# KiCad board Turbo_XT_Mainboard R3.kicad_pcb (continued)
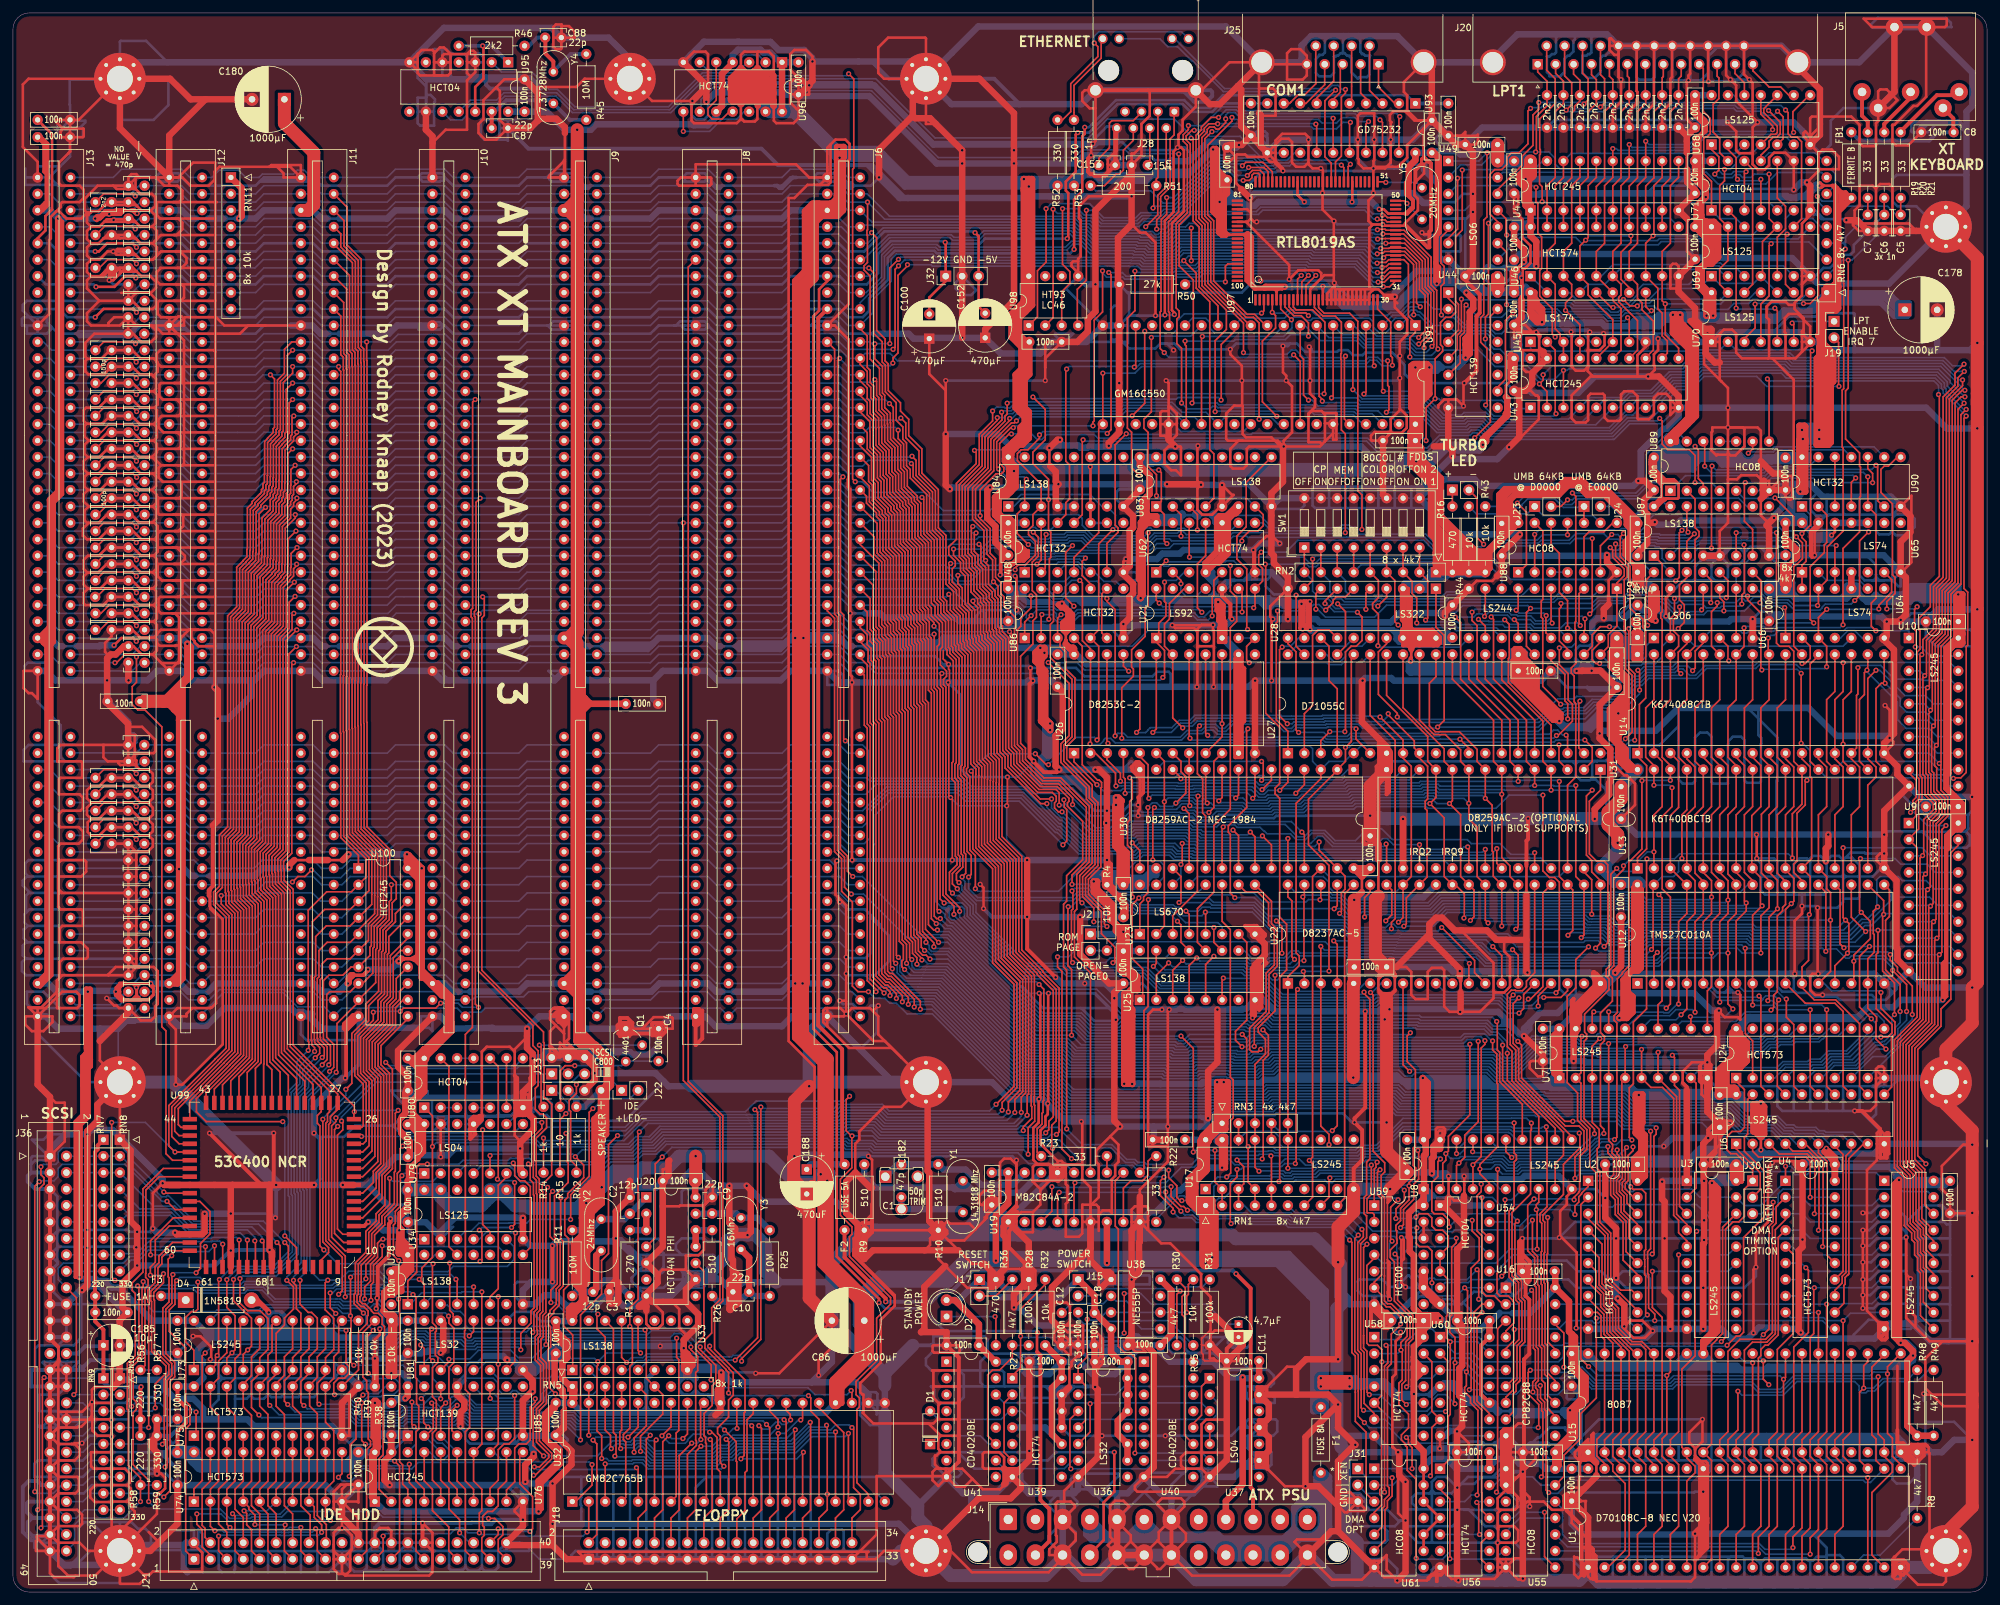
[diagram p0: board, top side]
## Routing (per net, layer and track width the routed paths; a pad name or vN(x,y) marks a point on that pad's centre or on a via; arc(x,y) is an arc through that point) (continued)
  Bottom w0.25: v1(282.57,143.51) 283.14,143.51 283.17,143.54 299.05,143.54 U10.18
/MD1: length 49.5
  Top w0.25: v1(284.86,142.75) 284.86,138.68 284.65,138.47 284.65,130.34 U14.14 283.84,128.67 285.12,127.4 285.12,121.28 283.84,120.02 U13.14
  Bottom w0.25: v1(284.86,142.75) 285.2,143.09 288.38,143.09 290.51,140.97 294.64,140.97 294.82,140.78 299.27,140.78 U10.17
/MD2: length 47
  Top w0.25: v1(287.65,142.33) 286.38,141.06 U14.15 286.38,128.67 287.65,127.4 287.65,125.86 286.38,124.59 U13.15
  Bottom w0.25: U10.16 296.54,137.16 295.27,138.43 292.13,138.43 288.22,142.33 v1(287.65,142.33)
/MD3: length 33.6
  Top w0.25: U14.17 288.93,140.47 v1(289.06,140.34) 288.49,140.34 287.65,139.51 287.65,128.27 U13.17
  Bottom w0.25: U10.15 296.55,134.62 295.28,135.89 292.36,135.89 291.41,136.84 291.41,137.99 v1(289.06,140.34)
/MD4: length 38.9
  Top w0.25: U13.18 285.1,128.29 285.1,137.81 285.86,138.58 285.86,141.97 v1(286.26,142.37) 286.38,142.49 U14.18
  Bottom w0.25: v1(286.26,142.37) 286.26,142.11 290.96,137.41 290.96,134.73 292.34,133.35 295.84,133.35 297.11,132.08 U10.14
/MD5: length 37.2
  Top w0.25: U13.19 282.57,128.27 v1(282.57,130.94) 282.57,137.8 283.84,139.06 U14.19
  Bottom w0.25: v1(282.57,130.94) 282.7,130.81 295.84,130.81 297.11,129.54 U10.13
/MD6: length 38.9
  Top w0.25: U13.20 280.03,128.27 280.03,137.8 281.31,139.06 U14.20
  Bottom w0.25: U13.20 282.57,128.27 296.04,128.27 297.31,127 U10.12
/MD7: length 41.5
  Top w0.25: U13.21 278.76,127 277.5,128.27 277.5,143.32 278.76,144.59 U14.21
  Bottom w0.25: U13.21 280.03,125.73 297.5,125.73 298.77,124.46 U10.11
/NMI: length 13.3
  Bottom w0.25: R8.2 288.29,5.72 285.75,5.72 U1.17
/ON_PULSE: length 49.7
  Bottom w0.25: U37.2 185.93,29.34 185.93,27.42 185.18,26.67 156.97,26.67 155.7,27.94 U39.3 153.86,27.94 152.59,26.67 142.88,26.67 D1.2
/OSC: length 369.9
  Top w0.25: R23.2 158.13,67.93 158.13,71.52 158.89,72.28 158.89,73.93 159.04,74.08 159.04,75.79 159.17,75.91 159.17,93.08 v1(158.43,93.82) ; v1(145.29,104.65) 145.29,105.92 143.6,107.61 143.6,139.55 143.22,139.93 143.22,141.65 v1(143.42,141.85) ; v1(177.55,141.22) 177.8,141.48 177.8,145.41 176.53,146.68 U21.1 176.91,147.7 176.91,149.61 178.02,150.71 178.02,152.75 177.8,152.97 v1(177.8,155.96) ; 27.3,66.68 24.64,66.68 23.62,67.69 23.62,86.65 22.99,87.29 22.99,133.6 20.38,136.21 19.27,136.21 18.41,137.07 18.41,139.83 19.07,140.48 v1(19.07,144.4) 18.67,144.8 17.29,144.8 16,143.51 v1(15.75,143.51)
  Bottom w0.25: v1(158.43,93.82) 158.02,94.23 155.57,94.23 145.29,104.51 v1(145.29,104.65) ; U62.3 180.85,157.48 179.58,156.21 178.05,156.21 v1(177.8,155.96) ; v1(15.75,143.51) 6.98,143.51 5.71,144.78 J13.30 ; v1(177.55,141.22) 177.15,140.82 164.25,140.82 163.23,141.85 v1(143.42,141.85) 133.25,141.85 131.59,143.51 128.9,143.51 127.63,144.78 J6.30 120.01,144.78 118.75,143.51 108.58,143.51 107.31,144.78 J8.30 99.69,144.78 98.42,143.51 88.26,143.51 86.99,144.78 J9.30 79.63,144.78 78.36,143.51 67.94,143.51 66.67,144.78 J10.30 59.05,144.78 57.78,143.51 47.62,143.51 46.35,144.78 J11.30 38.73,144.78 37.46,143.51 27.3,143.51 26.03,144.78 J12.30 19.45,144.78 v1(19.07,144.4)
/PCLK: length 126.4
  Top w0.25: v1(191.57,151.98) 191.77,152.18 U21.8 192.93,156.1 192.93,158.06 192.34,158.66 192.34,160.18 v1(192.74,160.58) ; v1(281.5,161.6) 281.31,161.41 U65.3 U64.11 ; U21.14 176.53,153.16 v1(176.99,152.71)
  Bottom w0.25: v1(176.99,152.71) 177.55,152.15 191.41,152.15 v1(191.57,151.98) ; v1(192.74,160.58) 196.55,160.58 198.39,162.42 206.1,162.42 206.12,162.43 206.27,162.43 206.29,162.42 217.82,162.42 219.72,160.52 227.5,160.52 228.98,161.99 235.53,161.99 235.95,162.42 240.26,162.42 241.3,163.45 245.62,163.45 246.49,162.57 247.86,162.57 248.39,162.05 253.64,162.05 253.8,161.88 259.6,161.88 259.96,162.24 260.14,162.24 260.28,162.38 266.87,162.38 266.93,162.44 267.63,162.44 267.69,162.38 274.1,162.38 274.88,161.6 v1(281.5,161.6)
/PPI_PA0: length 18.8
  Top w0.25: U28.13 203.2,146.05 203.2,140.74 204.47,139.47 U27.4
/PPI_PA1: length 35.2
  Top w0.25: U28.7 202.58,153.05 v1(202.58,152.64) ; v1(203.31,132.86) 201.93,131.47 U27.3 ; v1(205.64,132.86) 205.74,132.95 205.74,145.18 206.61,146.05 207.41,146.05 208.3,146.94 208.3,150.58 v1(207.59,151.29)
  Bottom w0.25: v1(202.58,152.64) 202.76,152.64 204.02,151.38 207.49,151.38 v1(207.59,151.29) ; v1(205.64,132.86) v1(203.31,132.86)
/PPI_PA2: length 23.4
  Top w0.25: U28.14 203.2,148.59 201.53,148.59 200.66,147.72 200.66,136.91 199.39,135.64 U27.2
/PPI_PA3: length 37
  Top w0.25: U27.1 196.85,132.91 195.06,134.7 195.06,149.67 195.25,149.85 v1(195.25,151.5) ; U28.6 205.74,153.67 204.34,153.67 203.83,153.16 203.83,152.78 v1(202.69,151.64)
  Bottom w0.25: v1(195.25,151.5) 199.83,151.5 200.82,152.49 201.65,152.49 202.51,151.64 v1(202.69,151.64) 202.56,151.64
/PPI_PA4: length 11.2
  Bottom w0.25: U27.40 198.12,146.05 205.74,146.05 U28.15
/PPI_PA5: length 25.2
  Top w0.25: U28.5 208.89,154.28 v1(208.89,151.74) ; U27.39 198.12,146.05 v1(198.12,153.92)
  Bottom w0.25: v1(208.89,151.74) 208.62,152.01 205.02,152.01 204.89,151.88 204.19,151.88 203.71,152.36 203.71,152.73 203.07,153.36 201.2,153.36 200.75,153.81 198.23,153.81 v1(198.12,153.92)
/PPI_PA6: length 10
  Bottom w0.25: U27.38 202.8,144.78 203.93,143.65 204.94,143.65 205.74,144.46 205.74,145.16 206.63,146.05 208.28,146.05 U28.16
/PPI_PA7: length 18.4
  Top w0.25: U28.4 212.09,153.6 v1(210.74,152.24) ; v1(204.54,152.6) 205.74,151.4 205.74,146.05 U27.37
  Bottom w0.25: v1(210.74,152.24) 210.52,152.46 204.67,152.46 v1(204.54,152.6)
/PPI_PB2: length 114.4
  Top w0.25: U62.12 181.61,159.85 v1(181.66,159.81) ; RN4.2 252.21,156.33 252.21,155.06 252.1,154.95 252.1,149.58 v1(252.4,149.29) ; v1(250.39,131.54) 250.45,131.6 250.45,136.37 250.43,136.39 250.43,141.78 249.48,142.72 v1(249.48,148.76)
  Bottom w0.25: v1(249.48,148.76) 249.88,149.16 252.27,149.16 v1(252.4,149.29) ; v1(181.66,159.81) 199.29,159.81 200.31,158.79 201.01,158.79 201.79,159.57 228.67,159.57 229.62,158.62 251.87,158.62 253.01,157.48 RN4.2 ; U27.20 247.76,129.54 249.76,131.54 v1(250.39,131.54)
/PPI_PB3: length 42.1
  Top w0.25: v1(246.62,161.28) 246.99,160.91 246.99,159.79 248.78,158 248.78,156.94 247.65,155.81 U29.1 247.65,149.19 246.32,147.87 246.32,145.99 U27.21
  Bottom w0.25: v1(246.62,161.28) 247.02,160.88 247.8,160.88 248.06,161.15 251.37,161.15 251.97,160.54 251.97,159.16 252.31,158.82 254.57,158.82 RN4.3 ; U66.1 252.21,146.17 252.21,144.52 251.85,144.15 251.82,144.15 251.24,143.57 246.32,143.57 U27.21
/PPI_PB4: length 28
  Top w0.25: U27.22 243.84,146.05 243.84,147.83 245.08,149.07 v1(246.5,149.07) ; v1(257.11,148.78) 258.05,149.72 258.05,152.46 257.3,153.21 257.3,155.52 258.44,156.66 RN4.4
  Bottom w0.25: v1(246.5,149.07) 247.8,149.07 248.92,147.95 249.74,147.95 250.35,148.56 256.89,148.56 v1(257.11,148.78)
/PPI_PB5: length 38.7
  Top w0.25: v1(262.14,152.78) 262.25,152.89 262.25,156.21 RN4.5 ; U27.23 240.03,145.6 238.76,146.87 238.76,151.83 239.01,152.09 v1(239.01,152.65)
  Bottom w0.25: v1(262.14,152.78) 261.83,153.1 257.27,153.1 256.86,152.69 256.14,152.69 255.02,153.81 252.82,153.81 252.21,154.43 249.42,154.43 248.55,153.55 244.71,153.55 243.81,152.65 v1(239.01,152.65)
/PPI_PB6: length 46.2
  Top w0.25: 263.52,147.32 264.79,146.05 264.79,143.92 v1(264.92,143.8) ; v1(250.89,142.34) 251.15,142.08 v1(251.15,139.28) ; v1(240.06,134.83) 240.06,137.18 239.61,137.63 239.61,141.71 237.49,143.83 U27.24
  Bottom w0.25: v1(264.92,143.8) 264.76,143.64 256.99,143.64 256.25,142.9 251.84,142.9 251.28,142.34 v1(250.89,142.34) ; v1(251.15,139.28) 251.15,138.72 248.94,136.5 244.39,136.5 242.72,134.83 v1(240.06,134.83)
/PPI_PB7: length 78.7
  Top w0.25: v1(234.31,151.9) 233.68,151.26 233.68,146.05 U27.25 ; U28.8 201.17,154.18 v1(201.17,151.77) ; U66.11 260.99,151.92 v1(260.73,151.66)
  Bottom w0.25: v1(201.17,151.77) 201.42,151.77 202.63,150.56 210.25,150.56 212.09,152.4 220.62,152.4 221.75,151.27 222.79,151.27 223.85,152.33 233.88,152.33 v1(234.31,151.9) 243.69,151.9 244.89,153.1 248.73,153.1 249.6,153.98 252.03,153.98 252.64,153.36 254.83,153.36 256.81,151.39 260.46,151.39 v1(260.73,151.66)
/PPI_PC0: length 53
  Top w0.25: U29.18 242.57,148.45 242.72,148.6 v1(242.72,150.28) ; U27.14 229.87,134.62 223.52,140.97 223.52,149.73 v1(222.7,150.55) ; v1(227.21,150.65) 227.33,150.77 U29.9
  Bottom w0.25: v1(222.7,150.55) 225.55,150.55 226.05,151.05 226.81,151.05 v1(227.21,150.65) 227.86,151.3 230.92,151.3 231.35,150.88 232.19,150.88 232.35,150.72 234.35,150.72 235.11,149.96 236.93,149.96 237.65,150.68 242.32,150.68 v1(242.72,150.28)
/PPI_PC1: length 44
  Top w0.25: U27.15 232.41,134.62 226.06,140.97 226.06,149.24 225.28,150.01 v1(225.28,151.31) ; v1(236.73,150.8) 236.69,150.76 236.69,148.12 U29.16 ; v1(232.1,151.61) 232.41,151.92 U29.7
  Bottom w0.25: v1(225.28,151.31) 225.73,151.75 231.95,151.75 v1(232.1,151.61) 232.53,151.17 236.35,151.17 v1(236.73,150.8)
/PPI_PC2: length 42.4
  Top w0.25: U29.5 237.49,149.78 v1(237.65,149.62) ; U29.14 232.41,149.56 v1(231.81,150.16) ; U27.16 234.95,134.62 228.6,140.97 228.6,150.22 v1(228.24,150.58)
  Bottom w0.25: v1(237.65,149.62) 237.52,149.49 234.94,149.49 234.28,150.16 v1(231.81,150.16) 231.43,150.16 230.74,150.85 228.51,150.85 v1(228.24,150.58)
/PPI_PC3: length 50
  Top w0.25: U29.3 241.81,154.18 241.81,149.42 v1(241.99,149.24) ; U27.17 237.49,133.86 230.9,140.46 230.9,144.15 231.02,144.28 231.02,149.43 v1(230.32,150.13) ; U29.12 227.33,149.15 v1(226.27,150.2)
  Bottom w0.25: v1(241.99,149.24) 241.59,149.64 239.75,149.64 239.01,148.9 234.9,148.9 234.36,149.43 231.02,149.43 v1(230.32,150.13) 230.05,149.85 227.89,149.85 227.82,149.93 226.55,149.93 v1(226.27,150.2)
/QS0: length 18.8
  Top w0.25: U1.25 281.31,19.69 280.03,20.95 280.03,23.5 281.31,24.76 U15.25
/QS1: length 18.8
  Top w0.25: U15.24 283.84,24.76 282.57,23.5 282.57,20.95 283.84,19.69 U1.24
/RDY_TO_DMA: length 118.7
  Top w0.25: U61.3 208.91,15.24 208.91,24.7 207.26,26.35 207.26,30.86 207.26,30.87 207.26,36.45 206.73,36.97 206.73,54 v1(206.38,54.36) ; v1(189,65.26) 189,64.11 187.96,63.07 187.96,57.02 v1(188.09,56.9) ; v1(197.99,66.17) 198.12,66.29 198.12,92.84 v1(198.34,93.06)
  Bottom w0.25: v1(197.99,66.17) 196.34,66.17 195.88,65.71 190,65.71 189.56,65.26 v1(189,65.26) ; U22.6 208.68,93.98 207.47,92.77 198.63,92.77 v1(198.34,93.06) ; v1(206.38,54.36) 204.42,56.31 196.92,56.31 196.47,56.76 190.38,56.76 189.93,57.21 188.41,57.21 v1(188.09,56.9)
/READY: length 212
  Top w0.25: v1(225.3,57.4) 225.3,55.75 226.39,54.66 226.39,51.26 225.12,49.99 225.12,34.53 225.14,34.51 225.14,31.52 v1(224.86,31.24) ; U19.5 163.83,63.07 v1(163.97,63.21) ; U15.22 288.93,36.64 287.01,34.72 287.01,24.27 287.65,23.62 287.65,20.32 U1.22 ; v1(221.74,56.39) 221.74,57.42 220.74,58.42 219.46,58.42 219.07,58.8 219.07,63.25 220.01,64.18 220.01,66.47 v1(220.41,66.87) ; v1(237.11,15.37) 236.71,15.77 236.71,27.96 236.49,28.18 236.49,29.33 235.85,29.96 235.85,31.85 v1(235.82,31.88)
  Bottom w0.25: v1(237.11,15.37) 237.24,15.24 238.51,15.24 240.54,17.27 285.69,17.27 286.04,16.92 286.8,16.92 U1.22 ; v1(235.82,31.88) 233.43,31.88 232.09,30.54 227.51,30.54 226.81,31.24 v1(224.86,31.24) ; v1(225.3,57.4) 222.76,57.4 v1(221.74,56.39) ; v1(220.41,66.87) 220.1,67.18 208.75,67.18 208.05,66.47 201.03,66.47 200.48,65.92 199.56,65.92 198.6,66.89 196.43,66.89 195.7,66.16 189.51,66.16 189.34,65.99 188.64,65.99 187.7,66.93 183.7,66.93 182.36,65.59 180.4,65.59 178.02,63.21 v1(163.97,63.21)
/RESET: length 573
  Top w0.25: U99.24 53.68,70.49 v1(53.81,70.36) ; U15.21 289.43,34.8 v1(289.43,33.69) 289.43,24.51 290.19,23.75 290.19,20.95 291.46,19.69 U1.21 ; U19.10 174.62,65.41 174.62,89.79 175.26,90.42 175.26,106.87 v1(175.31,106.92) ; v1(220.6,102.62) 225.68,97.54 225.68,95.63 U22.13 ; v1(222.85,54.63) 222.85,53.94 222.14,53.23 222.14,42.75 221.84,42.45 221.84,40.14 222.66,39.32 v1(222.66,35.42) 222.49,35.25 222.49,29.22 v1(222.65,29.07) ; v1(179.13,58.69) 179.13,59.25 177.16,61.21 177.16,63.52 v1(177.71,64.06) ; 208.53,39.62 208.53,38.35 ; 208.53,39.62 208.53,53.2 v1(209.05,53.72) ; 208.53,39.62 208.53,37.72 209.06,37.19 209.06,31.61 209.06,31.61 209.06,30.84 v1(209.42,30.48) ; U21.7 190.48,146.03 190.48,143.91 v1(190.88,143.51) ; U32.19 132.08,15.11 130.3,16.89 130.3,28.19 130.68,28.57 130.68,29.97 130.18,30.48 130.18,32.51 133.35,35.69 133.35,42.29 135.51,44.45 135.51,45.47 129.16,51.82 129.16,54.86 129.54,55.25 129.54,56.4 128.27,57.67 128.26,57.67 127.76,58.17 127.76,63.75 129.52,65.51 129.52,70.38 128.65,71.25 128.65,76.04 v1(129.17,76.56) ; U27.35 209.55,135.38 213.42,131.52 213.42,103.99 212.84,103.41 v1(212.84,102.42)
  Bottom w0.25: v1(222.66,35.42) 224.3,35.42 226.69,33.02 239.39,33.02 239.84,33.47 242.29,33.47 243.95,31.82 256.08,31.82 256.7,32.44 268.52,32.44 269.67,31.3 272.85,31.3 274.96,33.41 286.71,33.41 287.27,33.97 289.15,33.97 v1(289.43,33.69) ; v1(209.05,53.72) 208.09,53.72 205.04,56.76 197.14,56.76 196.69,57.21 190.56,57.21 190.11,57.66 186.22,57.66 185.62,57.07 182.71,57.07 181.99,57.79 180.03,57.79 v1(179.13,58.69) ; U54.3 222.82,54.61 v1(222.85,54.63) ; v1(129.56,70.44) 132.75,70.44 133.55,69.64 160,69.64 160.16,69.8 161.6,69.8 165.5,65.9 172.86,65.9 U19.10 174.62,64.13 177.64,64.13 v1(177.71,64.06) ; v1(222.65,29.07) 221.23,30.48 219.99,30.48 219.07,29.57 219.07,28.69 218.32,27.94 213.61,27.94 211.07,30.48 v1(209.42,30.48) ; v1(53.81,70.36) 81.1,70.36 82.53,71.79 94.52,71.79 96.9,74.17 113.09,74.17 114.74,75.82 128.43,75.82 v1(129.17,76.56) ; U27.35 208.34,143.57 205.49,143.57 205.12,143.2 203.18,143.2 202.87,143.51 v1(190.88,143.51) ; v1(175.31,106.92) 175.58,107.19 184.66,107.19 185.35,106.51 191.76,106.51 193.87,104.39 195.45,104.39 196.04,103.81 206.04,103.81 207.69,102.17 212.58,102.17 v1(212.84,102.42) 213.11,102.15 214.49,102.15 214.56,102.08 220.06,102.08 v1(220.6,102.62) ; U21.6 U21.7
/RESETDRV: length 456.4
  Top w0.25: v1(181.94,210.63) v1(181.94,205.58) ; v1(142.56,103.21) 141.8,103.98 141.8,138.81 141.35,139.26 141.35,147.1 141.03,147.41 141.03,149.6 140.45,150.18 140.45,151.38 140,151.83 140,161.49 138.82,162.66 138.82,167.58 138.27,168.13 138.27,168.67 136.73,170.21 136.73,172.61 136.16,173.18 136.16,176.71 135.05,177.83 135.05,180.35 135.01,180.38 135.01,181.85 134.15,182.71 134.15,184.62 133.8,184.97 133.8,188.94 132.35,190.39 132.35,203.2 131.41,204.14 131.41,204.79 131.93,205.31 131.93,209.46 131.85,209.55 131.85,210.25 131.95,210.35 v1(131.95,214.63) ; v1(230,84.45) 230,79.05 235.58,73.47 235.58,69.85 ; U97.33 212.55,203.79 211.78,203.02 v1(211.46,203.02) 211.65,203.02 ; C98.2 14.01,215.9 18.55,215.9 v1(18.89,215.56)
  Bottom w0.25: J13.2 5.71,215.9 6.98,214.63 C98.2 ; v1(230,84.45) 230,85.02 228.99,86.03 228.04,86.03 227.15,86.91 216.74,86.91 216.56,87.09 212.81,87.09 212.52,86.8 194.08,86.8 193.35,87.54 192.65,87.54 192.14,87.02 190.67,87.02 190.4,87.29 171.55,87.29 171.01,86.75 166.36,86.75 164.6,88.51 158.67,88.51 144.73,102.45 143.89,102.45 143.13,103.21 v1(142.56,103.21) ; v1(181.94,210.63) 181.66,210.36 179.26,210.36 178.26,209.36 177.15,209.36 176.98,209.19 176.2,209.19 175.73,209.66 174.35,209.66 174.16,209.84 167.6,209.84 166.15,211.28 164.83,211.28 164.12,211.99 134.58,211.99 v1(131.95,214.63) 128.91,214.63 127.63,215.9 J6.2 120.01,215.9 118.75,214.63 108.58,214.63 107.31,215.9 J8.2 99.69,215.9 98.42,214.63 88.26,214.63 86.99,215.9 J9.2 79.38,215.9 78.1,214.63 67.94,214.63 66.67,215.9 J10.2 59.05,215.9 57.78,214.63 47.62,214.63 46.35,215.9 J11.2 38.73,215.9 37.46,214.63 27.3,214.63 26.03,215.9 J12.2 19.23,215.9 v1(18.89,215.56) ; v1(181.94,205.58) 182.19,205.84 200.03,205.84 200.36,205.51 207.5,205.51 209.99,203.02 v1(211.46,203.02)
/RESETISA: length 25.6
  Top w0.25: v1(229.87,48.77) 230.38,49.28 v1(230.38,60.58)
  Bottom w0.25: v1(230.38,60.58) 231.39,60.58 233.04,62.23 ; v1(229.87,48.77) 229.36,48.26 225.17,48.26 224.7,47.79 221.14,47.79 U54.6
/ROM_P1: length 94.4
  Top w0.25: v1(253.89,98.77) 253.37,98.25 U12.2
  Bottom w0.25: v1(253.89,98.77) 253.14,98.02 227.81,98.02 226.44,99.38 213.44,99.38 213.38,99.45 206.59,99.45 206.45,99.58 203.46,99.58 202.62,100.42 170.27,100.42 R4.2 J2.2
/SCSI_ASEL0: length 59.1
  Top w0.25: v1(49.86,73.22) 49.86,72.66 49.2,71.99 49.2,54.81 51.3,52.7 U99.10
  Bottom w0.25: v1(49.86,73.22) 56.65,80.01 J33.1
/SCSI_ASEL1: length 62.8
  Top w0.25: v1(50.14,71.9) 49.65,71.41 49.65,55.38 51.05,53.98 U99.11
  Bottom w0.25: v1(50.14,71.9) 49.02,73.02 49.02,73.53 56.34,80.85 77.8,80.85 78.14,81.19 84.55,81.19 J33.3
/SCSI_ASEL2: length 60.9
  Top w0.25: U99.12 50.93,55.25 50.1,56.07 50.1,70.55 50.93,71.37 50.93,72.54 v1(50.73,72.73)
  Bottom w0.25: J33.5 87.57,80.01 86.3,78.74 56.13,78.74 50.73,73.34 v1(50.73,72.73)
/SD0: length 44.1
  Top w0.25: U99.22 54,67.94 54.98,68.93 54.98,78.81 53.67,80.12 53.67,85.69 56.37,88.38 56.37,91.36 57.36,92.35 57.36,98.64 57.58,98.86 57.58,102.04 59.05,103.51 59.05,104.78 U100.18
/SD1: length 42.8
  Top w0.25: U100.17 58.03,101.21 58.03,98.68 57.81,98.45 57.81,92.17 56.82,91.17 56.82,88.2 54.12,85.51 54.12,80.3 55.43,78.99 55.43,68.11 54,66.68 U99.21
/SD2: length 41.5
  Top w0.25: U99.20 54,65.41 55.88,67.29 55.88,79.18 54.57,80.49 54.57,85.32 57.27,88.01 57.27,90.98 58.26,91.98 58.26,98.27 60.96,100.97 U100.16
/SD3: length 40.9
  Top w0.25: U99.19 54,64.13 56.33,66.47 56.33,79.37 55.02,80.68 55.02,85.13 57.72,87.83 57.72,90.8 58.71,91.79 58.71,97.94 59.83,99.06 U100.15
/SD4: length 40.2
  Top w0.25: U100.14 59.18,94.74 59.18,91.63 58.17,90.61 58.17,87.64 55.47,84.95 55.47,80.86 56.78,79.55 56.78,66.13 55.63,64.98 55.63,63.23 54,61.6 U99.17
/SD5: length 39
  Top w0.25: U99.16 54,60.32 56.08,62.41 56.08,64.79 57.23,65.94 57.23,79.74 55.92,81.05 55.92,84.76 58.62,87.45 58.62,90.42 59.69,91.5 59.69,92.71 U100.13
/SD6: length 38.2
  Top w0.25: U100.12 60.27,91.44 59.07,90.24 59.07,87.27 56.37,84.58 56.37,81.24 57.68,79.92 57.68,65.75 56.53,64.6 56.53,61.49 54.1,59.06 U99.15
/SD7: length 36.4
  Top w0.25: U100.11 60.96,88.52 56.82,84.39 56.82,81.42 58.13,80.11 58.13,65.57 56.98,64.42 56.98,60.77 54,57.79 U99.14
/SPKDATA: length 41.5
  Top w0.25: v1(238.97,137.08) 236.2,139.85 236.2,150.3 235.97,150.53 235.97,153.03 236.22,153.28 236.22,163.83 U88.13 ; v1(241.94,137.58) 241.77,137.41 241.77,130.34 U27.19
  Bottom w0.25: v1(238.97,137.08) 241.44,137.08 v1(241.94,137.58)
/T_C: length 535.4
  Top w0.25: v1(19.07,151.76) 18.43,152.4 14.84,152.4 13.57,151.13 C120.2 ; v1(71.97,151.04) 71.85,150.92 71.85,95.92 80.28,87.48 80.28,84.38 81.09,83.57 81.09,78.22 80.64,77.78 80.64,74.53 81.38,73.8 81.83,73.8 82.39,73.25 82.39,71.69 80.79,70.1 80.79,64.23 81.26,63.76 81.26,61.71 81.36,61.61 81.36,43.52 80.89,43.04 80.89,40.53 80.97,40.45 80.97,39.75 80.63,39.42 80.63,35.83 81.46,35 81.46,29.52 80.32,28.37 80.32,22.63 v1(81.93,21.02) ; J6.27 125.73,151.51 126.86,150.38 126.86,114.34 127.94,113.26 127.94,108.21 129.6,106.55 129.6,93.58 130.47,92.71 v1(132.08,92.71) ; v1(99.31,23.5) 99.06,23.24 U32.6 ; v1(253.11,52.2) 253.37,52.45 253.37,70.36 253.71,70.71 v1(253.71,71.68)
  Bottom w0.25: v1(99.31,23.5) 99.19,23.37 98.21,23.37 97.73,23.85 95.98,23.85 95.32,23.18 94.57,23.18 94.43,23.33 92.54,23.33 90.23,21.02 v1(81.93,21.02) ; J13.27 5.71,152.4 6.98,151.13 C120.2 ; v1(19.07,151.76) 19.71,152.4 J12.27 26.03,152.4 27.3,151.13 37.46,151.13 38.73,152.4 J11.27 46.35,152.4 47.64,151.12 57.9,151.12 59.18,152.4 J10.27 66.67,152.4 68.04,151.04 v1(71.97,151.04) 72.53,151.6 84.29,151.6 J9.27 86.99,152.4 88.26,151.13 98.42,151.13 99.69,152.4 J8.27 107.31,152.4 108.58,151.13 118.75,151.13 120.01,152.4 J6.27 ; v1(132.08,92.71) 133.1,91.69 134.62,91.69 135.38,90.93 136.4,90.93 138.06,89.27 141.95,89.27 154.33,76.9 159.37,76.9 162.25,74.03 185.3,74.03 185.46,74.19 194.6,74.19 195.11,74.69 212.45,74.69 213.53,73.62 234.97,73.62 235.17,73.42 247.39,73.42 248.78,72.03 253.37,72.03 v1(253.71,71.68) ; v1(253.11,52.2) 252.98,52.07 231.64,52.07 229.1,49.53 U54.10
/TCLK: length 47.7
  Top w0.25: v1(180.6,133.44) 179.07,134.98 U26.18 177.8,146.05 177.8,149.48 178.56,150.24 178.56,152.65 180.85,154.94 U21.12 ; U26.15 v1(186.69,134.09) 186.69,132.08 U26.9
  Bottom w0.25: v1(186.69,134.09) 186.3,134.48 183.55,134.48 183.55,134.49 182.85,134.49 182.09,133.72 180.88,133.72 v1(180.6,133.44)
/TERMPWR: length 58.5
  Top w0.6: R58.1 19.68,31.59 v1(19.79,31.69) ; RN9.1 C185.1 13.97,40.51 12.7,41.78 C186.1 F3.2 12.67,45.75 12.67,67.93 13.08,68.35 13.08,68.96 RN7.1
  Bottom w0.4: 17.29,31.62 17.23,31.68 15.55,31.68
  Bottom w0.6: v1(19.79,31.69) 17.36,31.69 17.29,31.62 ; 15.55,31.68 15.48,31.75 14.62,31.75 14.5,31.88 14.48,31.88 13.97,32.38 RN9.1 ; C185.1 13.84,37.97 11.18,37.97 10.03,36.83 8.25,36.83
/TIM2GSPK: length 72
  Top w0.25: U26.16 184.15,132.6 v1(184.46,132.29) ; U27.18 240.03,132.1 v1(239.81,132.32)
  Bottom w0.25: v1(184.46,132.29) 184.74,132.02 202.49,132.02 202.82,131.68 206.22,131.68 206.67,132.13 220.23,132.13 220.55,132.45 236.34,132.45 236.35,132.46 237.24,132.46 237.87,133.1 238.51,133.1 239.28,132.32 v1(239.81,132.32)
/TIM2OUT: length 111.7
  Top w0.25: U26.17 181.61,131.96 v1(181.73,131.84) ; U88.12 237.49,161.67 238.76,160.4 238.76,154.36 240.03,153.09 v1(240.03,148.84) ; v1(238.76,145.8) 238.76,143.19 240.12,141.83 240.12,137.75 240.78,137.09 240.78,134.48 238.56,132.26 v1(238.32,132.26) ; v1(223.42,131.69) 224.79,130.32 U27.12
  Bottom w0.25: v1(181.73,131.84) 182.01,131.57 202.3,131.57 202.63,131.23 206.41,131.23 206.86,131.68 220.42,131.68 220.43,131.69 v1(223.42,131.69) 223.58,131.86 237.92,131.86 v1(238.32,132.26) ; v1(240.03,148.84) 240.42,148.84 241.3,147.96 241.3,146.56 240.65,145.91 238.87,145.91 v1(238.76,145.8)
/TIMING_CLK: length 37.3
  Top w0.25: v1(165.86,42.13) 165.86,36.32 164.46,34.93 U36.1 165.59,31.89 165.59,26.53 U36.4
  Bottom w0.25: R35.2 178.44,41.91 174.12,41.91 172.85,43.18 168.75,43.18 167.55,41.97 166.01,41.97 v1(165.86,42.13)
/TURBO: length 143.2
  Top w0.25: v1(157.53,163.67) 158.31,162.88 158.31,159.96 157.38,159.03 157.38,154.65 158.02,154 158.02,150.52 157.48,149.98 157.48,146.4 155.57,144.5 155.57,131.06 156.33,130.31 156.33,128.55 159.15,125.73 161.8,125.73 166.17,121.36 166.17,112.74 164.25,110.82 164.25,105.44 163.89,105.08 163.89,98.08 166.37,95.6 U19.13
  Bottom w0.25: v1(157.53,163.67) 158.6,162.6 159.86,162.6 160.13,162.87 162.49,162.87 162.83,163.21 165.34,163.21 166.35,162.21 174.9,162.21 176.22,163.52 179.8,163.52 180.06,163.79 180.68,163.79 181.19,163.28 187.4,163.28 189.23,165.1 U62.9
/X7X: length 158.6
  Top w0.25: 186.06,195.58 186.06,198.62 183.15,201.53 183.15,210.8 182.22,211.73 182.22,224.2 v1(181.92,224.5)
  Bottom w0.25: v1(181.92,224.5) 181.92,224.86 179.32,227.46 168.98,227.46 166.06,224.54 142.37,224.54 133.22,233.68 112.18,233.68 112.16,233.7 106.83,233.7 101.58,228.45 89.06,228.45 89.06,228.46 87.98,228.46 87.98,228.45 86.38,228.45 83.84,230.99 75.92,230.99 74.86,229.93 70.92,229.93 70.1,229.11 70.1,228.09 69.34,227.33 67.56,227.33 U95.10
/XA0: length 281.7
  Top w0.25: v1(204.83,104.81) 205.11,105.08 205.11,107.95 205.67,108.52 205.67,110.56 U30.27 201.68,114.55 v1(201.68,115.82) ; v1(180.34,112.35) 180.53,112.54 v1(180.53,115.6) ; v1(212.34,135.64) 212.34,135.45 216.37,131.43 216.37,130.34 U27.9 217.17,128.78 218.43,127.52 218.43,122.48 218.05,122.1 218.05,121 218.34,120.71 218.34,110.39 U22.32 215.14,107.19 215.14,103.19 v1(214.76,102.82) ; v1(176,132.74) 176.53,133.27 U26.19 ; v1(288.42,92.58) 288.42,90.18 290.58,88.01 290.58,86.17 290.05,85.64 290.05,77.96 U6.11 ; U14.12 278.76,128.67 280.03,127.4 280.03,121.28 278.76,120.02 U13.12 280.03,110.49 280.03,108.59 280.63,107.99 v1(280.63,103.76) 280.63,95.85 U12.12 ; U31.27 242.57,111.19 243.76,110 v1(243.76,104.67)
  Bottom w0.25: v1(180.53,115.6) 180.68,115.45 182.5,115.45 182.82,115.14 200.99,115.14 v1(201.68,115.82) ; v1(204.83,104.81) 205.38,104.26 206.23,104.26 207.87,102.62 211.96,102.62 212.49,103.15 213.18,103.15 213.71,102.62 214.56,102.62 v1(214.76,102.82) 219.31,102.82 221.44,104.94 243.49,104.94 v1(243.76,104.67) 244.04,104.39 246.52,104.39 247.82,103.09 248.83,103.09 249.49,103.76 v1(280.63,103.76) ; v1(212.34,135.64) 212.34,135.32 211.42,134.4 208.62,134.4 208.09,134.93 202.41,134.93 202.28,134.8 199.42,134.8 199.41,134.82 197.59,134.82 197.58,134.8 195.72,134.8 195.59,134.93 183.74,134.93 183.73,134.94 182.67,134.94 181.9,134.17 180.27,134.17 178.84,132.74 v1(176,132.74) ; U12.12 279.65,93.98 280.8,92.84 288.16,92.84 v1(288.42,92.58) ; U23.14 180.34,110.49 v1(180.34,112.35)
/XA1: length 247.2
  Top w0.25: v1(211.07,135.13) 214.63,131.57 U27.8 214.63,128.78 215.9,127.51 215.9,110.49 U22.33 214.63,104.15 v1(213.92,103.44) ; U26.20 173.99,133.25 v1(173.48,132.74) ; U6.12 285.12,78.1 285.12,87.76 281.43,91.44 278.13,91.44 276.22,93.34 U12.11 276.22,96.52 277.24,97.54 277.24,104.49 v1(277.36,104.61) 277.5,104.75 277.5,110.49 U13.11 277.71,113.25 277.71,125.7 277.5,125.91 277.5,127.4 276.22,128.67 U14.11
  Bottom w0.25: v1(173.48,132.74) 173.51,132.72 174.88,132.72 175.2,133.04 175.2,133.09 175.58,133.47 175.63,133.47 175.64,133.48 178.94,133.48 180.09,134.62 181.71,134.62 182.48,135.39 183.92,135.39 183.93,135.38 195.78,135.38 195.91,135.25 197.4,135.25 197.41,135.27 199.59,135.27 199.6,135.25 202.09,135.25 202.22,135.38 208.28,135.38 208.4,135.25 210.95,135.25 v1(211.07,135.13) ; U22.33 213.5,108.09 203.93,108.09 203.2,108.82 203.2,109.62 202.33,110.49 182.88,110.49 U23.13 ; v1(213.92,103.44) 214.02,103.54 219.4,103.54 221.25,105.39 249.94,105.39 251.13,104.21 276.96,104.21 v1(277.36,104.61)
